# Altium PCB Farm_Pump.PcbDoc (continued)
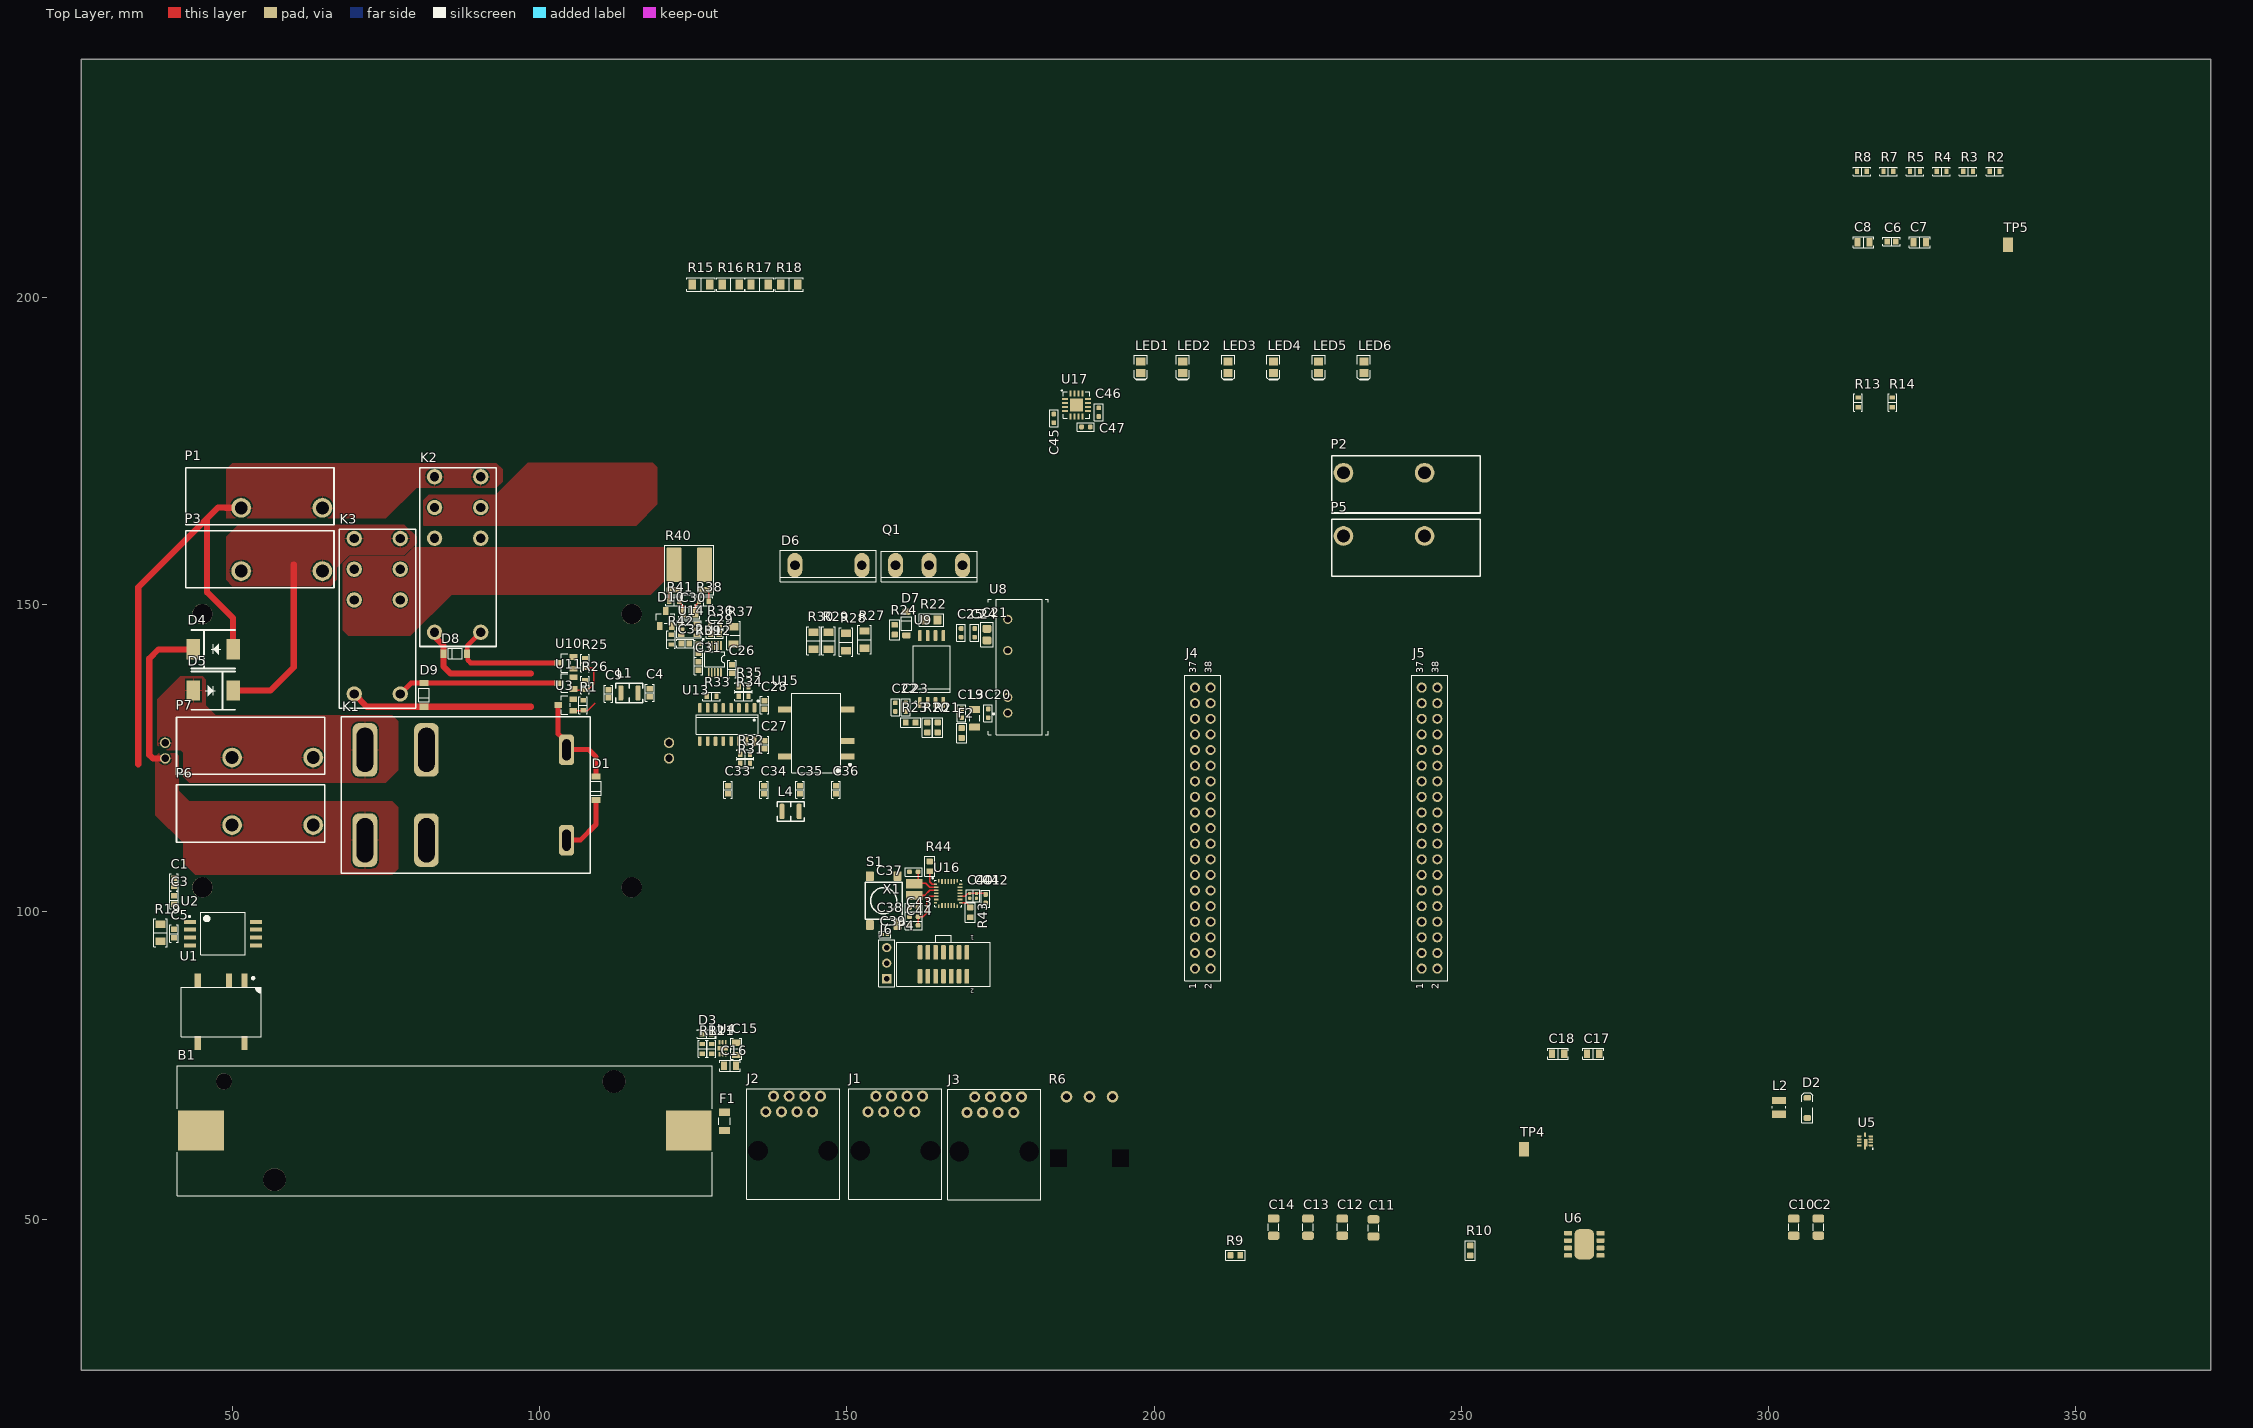
[diagram p0: Top Layer view]
## Part data (continued)
D7: library part 1027-0004, "TVS DIODE 16V 26V SOD123F", Current=A, Manufacturer="Littelfuse Inc.", Supplier Part Number 1=F8155CT-ND, Voltage=V, x_max_temp=150, x_min_temp=-55, ComponentLink1Description=Datasheet, created_on="31/03/2020 3:13:35 PM", id=378025, inventory_price=0.47, Manufacturer Part Number=SMF16A, Mount=SMT, partnumber=1027-0004, parttype="TVS - Diodes", rohs=1, Supplier 1=DigiKey, updated_on="14/09/2021 3:42:58 PM", x_Link_Description=datasheet, x_Link_URL=https://www.littelfuse.com/~/media/electronics/datasheets/tvs_diodes/littelfuse_tvs_diode_smf_datasheet.pdf.pdf, x_Vol=16V
D10: "Zener Diode", Manufacturer="Diodes Incorporated", Digikey PN=ZR285F02CT-ND, inventory_price=1.51, Manufacturer Part Number=ZR285F02TA, partnumber=ZR285F02TA, parttype="PMIC - Voltage Reference", URL Datasheet=https://www.diodes.com/assets/Datasheets/ZR285.pdf
F1: "fuse holder", Current=10A, Manufacturer="Eaton - Electronics Division", Digikey PN=TR/3216TD10-R, inventory_price=1.95, Manufacturer Part Number="Eaton - Electronics Division", partnumber=TR/3216TD10-R, parttype=Fuses, URL Datasheet=https://www.eaton.com/content/dam/eaton/products/electronic-components/resources/data-sheet/eaton-3216td-time-delay-chip-surface-mount-fuse-data-sheet.pdf
F2: library part 1034-0014, "FUSE BOARD MNT 500MA 32VDC 0603", Manufacturer="Panasonic Electronic Components", x_Capacitance="Not Applicable", x_current="500 mA", x_max_temp=125°C, x_min_temp=-40°C, ComponentLink1Description=Datasheet, created_on="18/03/2020 3:28:57 PM", id=377173, inventory_price=0.29, Manufacturer Part Number=ERB-RE0R50V, partnumber=1034-0014, parttype=Fuses, rohs=1, updated_on="3/02/2022 2:42:16 PM", x_inductance="Not Applicable", x_Link_Description=Datasheet, x_Link_URL=https://industrial.panasonic.com/cdbs/www-data/pdf/AFA0000/AFA0000C7.pdf, x_port_to_unleashed=No, x_Power="Not Applicable", x_resistance="Not Applicable", x_temp_coef="Not Applicable", x_Tolerance="Not Applicable", x_Vol="Not Applicable"
J1 J2 J3: Manufacturer="MODULAR JACK RJ45 8P8C", Digikey PN=2057-MTJ-885X1-ND, inventory_price=0.97, Manufacturer Part Number=MTJ-885X1, partnumber=MTJ-885X1, parttype="Modular Connectors - Jacks", URL Datasheet=https://app.adam-tech.com/products/download/data_sheet/203809/mtj-885x1-data-sheet.pdf
J4 J5: library part 1095-0013, "CONN RCPT 38POS 0.1 GOLD PCB", Manufacturer="Samtec Inc.", x_Capacitance="Not Applicable", x_current="5.7A per Contact", x_max_temp=125°C, x_min_temp=-55°C, created_on="29/03/2022 9:34:22 PM", id=461832, inventory_price=6.48, Manufacturer Part Number=SSW-119-01-F-D, partnumber=1095-0013, parttype="Rectangular Connectors - Headers, Receptacles, Female Sockets", rohs=1, updated_on="29/03/2022 9:39:06 PM", x_inductance="Not Applicable", x_port_to_unleashed=No, x_Power="Not Applicable", x_resistance="Not Applicable", x_temp_coef="Not Applicable", x_Tolerance="Not Applicable", x_Vol="Not Applicable"
J6: library part 1005-0012, "CONN HEADER VERT 3POS 2.54MM", Manufacturer="Sullins Connector Solutions", Manufacturer Part Number=PRPC003SAAN-RC, Supplier Part Number 1=S1011EC-03-ND, ComponentLink1Description=Datasheet, created_on="31/03/2020 1:35:33 PM", id=377978, inventory_price=0.25, Mount=TH, partnumber=1005-0012, parttype="Rectangular Connectors - Headers, Male Pins", rohs=1, Supplier 1=Digi-Key, updated_on="11/08/2020 5:15:42 PM", x_Link_Description=datasheet, x_Link_URL=https://drawings-pdf.s3.amazonaws.com/11636.pdf
K1: Manufacturer="American Zettler", Digikey PN=2487-AZSR250-2AE-12D-ND, inventory_price=20.25, Manufacturer Part Number=AZSR250-2AE-12D, partnumber=AZSR250-2AE-12D, parttype="Power Relays, Over 2 Amps", URL Datasheet=https://www.azettler.com/pdfs/azsr250.pdf
K2 K3: "Plug-in miniature power relay, with power contact for high continuous currents, 1 changeover contact, input voltage 12 V DC"
L1 L4: library part TFM322512ALMA6R8MTAA, Digi-Key Part Number=445-16384-1-ND, Manufacturer="TDK Corporation", Maximun Temperature=150, Minimum Temperature=-55, Part Number=MLZ2012N6R8LTD25, Digikey PN=445-TFM322512ALMA6R8MTAACT-ND, inventory_price=1.44, Manufacturer Part Number="TDK Corporation", partnumber=TFM322512ALMA6R8MTAA, parttype="Fixed Inductor", URL Datasheet=https://product.tdk.com/info/en/catalog/datasheets/inductor_automotive_power_tfm322512alma_en.pdf?ref_disty=digikey
L2: library part 1002-0031, "FIXED IND 10UH 750MA 650MOHM SMD", Manufacturer="Taiyo Yuden", Manufacturer Part Number=MAKK2520H100M, x_Capacitance="Not Applicable", x_current="750 mA", x_max_temp=105°C, x_min_temp=-40°C, x_Tolerance=±20%, ComponentLink1Description=Datasheet, ComponentLink1URL=https://www.bourns.com/docs/Product-Datasheets/SRR1260.pdf, created_on="3/04/2022 8:17:03 AM", id=462234, inventory_price=0.28, partnumber=1002-0031, parttype="Fixed Inductors", rohs=1, updated_on="6/04/2022 9:21:30 PM", x_inductance="10 µH", x_Link_Description=Datasheet, x_Link_URL="https://ds.yuden.co.jp/TYCOMPAS/ut/detail?pn=MAKK2520H100M &u=M", x_port_to_unleashed=No, x_Power="Not Applicable", x_resistance="Not Applicable", x_temp_coef="Not Applicable", x_Vol="Not Applicable"
L3: library part 1002-0001, "FIXED IND 6.8UH 380MA 170 MOHM", Manufacturer="Taiyo Yuden", Manufacturer Part Number=LB3218T6R8M, x_current=pcbs@relectrify.com, x_Tolerance=±20%, ComponentLink1Description=Datasheet, ComponentLink1URL=https://www.bourns.com/docs/Product-Datasheets/SRR1260.pdf, created_on="4/03/2020 11:07:19 PM", id=376135, inventory_price=0.1447, partnumber=1002-0001, parttype="Fixed Inductors", rohs=1, updated_on="10/08/2021 1:51:55 PM", x_Link_Description=Datasheet, x_Link_URL="https://ds.yuden.co.jp/TYCOMPAS/ut/detail?pn=LB3218T6R8M  &u=M"
LED1 LED2 LED3 LED4: library part 1001-0001, "LED GREEN CLEAR 0805 SMD", Current=A, Manufacturer="Würth Elektronik", Manufacturer Part Number=150080GS75000, Supplier Part Number 1=1642-1508-1-ND, Voltage=V, x_Capacitance="Not Applicable", x_max_temp=N/A, ComponentLink1Description=Datasheet, created_on="4/03/2020 7:22:47 PM", id=376117, inventory_price=0.18, Mount=SMT, partnumber=1001-0001, parttype="LED Indication - Discrete", rohs=1, Supplier 1=Digikey, updated_on="12/04/2022 11:43:19 AM", x_current="Not Applicable", x_inductance="Not Applicable", x_Link_Description=Datasheet, x_Link_URL=https://www.we-online.com/katalog/datasheet/150080GS75000.pdf, x_min_temp=N/A, x_port_to_unleashed=No, x_Power="Not Applicable", x_resistance="Not Applicable", x_temp_coef="Not Applicable", x_Tolerance="Not Applicable", x_Vol="Not Applicable"
LED5 LED6: library part 1001-0002, "LED RED CLEAR 0805 SMD", Current=A, Manufacturer="Würth Elektronik", Manufacturer Part Number=150080RS75000, Supplier Part Number 1=1642-1508-1-ND, Voltage=V, x_Capacitance="Not Applicable", x_max_temp=N/A, ComponentLink1Description=Datasheet, created_on="4/03/2020 10:57:11 PM", id=376134, inventory_price=0.18, Mount=SMT, partnumber=1001-0002, parttype="LED Indication - Discrete", rohs=1, Supplier 1=Digikey, updated_on="12/04/2022 11:43:19 AM", x_current="Not Applicable", x_inductance="Not Applicable", x_Link_Description=Datasheet, x_Link_URL=https://www.we-online.com/katalog/datasheet/150080RS75000.pdf, x_min_temp=N/A, x_port_to_unleashed=No, x_Power="Not Applicable", x_resistance="Not Applicable", x_temp_coef="Not Applicable", x_Tolerance="Not Applicable", x_Vol="Not Applicable"
P1 P2 P3 P5 P6 P7: Current=41, Manufacturer="Phoenix Contact", Voltage=1000, inventory_price=3.143, Manufacturer Part Number=1719189, partnumber=1719189, parttype="PCB Terminal Blocks", URL Datasheet=https://docs.rs-online.com/3ee6/0900766b813ab54c.pdf
P4: library part 1005-0008, "CONN HEADER SMD 14POS 1.27MM", Manufacturer="CNC Tech", Manufacturer Part Number=3220-14-0300-00, Supplier Part Number 1=1175-1632-ND, ComponentLink1Description=Datasheet, ComponentLink1URL=http://cnctech.us/idcmatching2.pdf, created_on="31/03/2020 1:35:32 PM", id=377974, inventory_price=0.18, Mount=SMT, partnumber=1005-0008, parttype="Rectangular Connectors - Headers, Male Pins", rohs=1, Supplier 1=Digi-Key, updated_on="11/08/2020 5:15:42 PM", x_Link_Description=datasheet, x_Link_URL=http://cnctech.us/pdfs/3220-XX-0300-00.pdf
Q1: library part 1101-0001, "IGBT 1200V 75A UFS", Manufacturer="ON Semiconductor", Rating=75A, Supplier Part Number 1=FGY75T120SQDNOS-ND, Voltage=1200V, x_Capacitance="Not Applicable", x_max_temp="175°C (TJ)", x_min_temp=-55°C, ComponentLink1Description=Datasheet, created_on="31/03/2020 3:13:32 PM", id=378004, inventory_price=12.55, Manufacturer Part Number=FGY75T120SQDN, Mount=TH, partnumber=1101-0001, parttype="Transistors - IGBTs - Single", rohs=1, Supplier 1=Digi-Key, updated_on="30/04/2022 1:58:28 PM", x_current="Not Applicable", x_inductance="Not Applicable", x_Link_Description=Datasheet, x_Link_URL=https://www.onsemi.com/pdf/datasheet/fgy75t120sqdn-d.pdf, x_port_to_unleashed=No, x_Power="Not Applicable", x_resistance="Not Applicable", x_temp_coef="Not Applicable", x_Tolerance="Not Applicable", x_Vol="Not Applicable"
R1 R25 R26 R31 R32 R33 R34 R35 R42: library part RC0603FR-0710KL, "RES SMD 10K OHM 1% 1/10W 0603", Digi-Key Part Number=311-10.0KHRCT-ND, Manufacturer=Yageo, Package Imperial=0603, Package Metric=1608, Power (Watts)="0.1W, 1/10W", Temperature Coefficient=±100ppm/°C, Tolerance=±1%, Part Number=RC0603FR-0710KL
R2 R4 R8: library part RC0603FR-073K9L, "RES SMD 3.9K OHM 1% 1/10W 0603", Digi-Key Part Number=311-3.90KHRCT-ND, Manufacturer=Yageo, Package Imperial=0603, Package Metric=1608, Power (Watts)="0.1W, 1/10W", Temperature Coefficient=±100ppm/°C, Tolerance=±1%, Part Number=RC0603FR-073K9L
R3 R5: library part RC0603FR-077K5L, "RES SMD 7.5K OHM 1% 1/10W 0603", Digi-Key Part Number=311-7.50KHRCT-ND, Manufacturer=Yageo, Package Imperial=0603, Package Metric=1608, Power (Watts)="0.1W, 1/10W", Temperature Coefficient=±100ppm/°C, Tolerance=±1%, Part Number=RC0603FR-077K5L
R6: "Variable Resistor Symbol", Manufacturer="Bourns Inc.", Digikey PN=PDB12-H4301-103BF-ND, inventory_price=1.49, Manufacturer Part Number=PDB12-H4301-103BF, partnumber=PDB12-H4301-103BF, parttype="Rotary Potentiometers, Rheostats", URL Datasheet=https://www.bourns.com/docs/Product-Datasheets/PDB12.pdf
R7 R12: library part RC0603FR-071KL, "RES SMD 1K OHM 1% 1/10W 0603", Digi-Key Part Number=311-1.00KHRCT-ND, Manufacturer=Yageo, Package Imperial=0603, Package Metric=1608, Power (Watts)="0.1W, 1/10W", Temperature Coefficient=±100ppm/°C, Tolerance=±1%, Part Number=RC0603FR-071KL
R9: library part 1007-0174, "RES 63.4K OHM 1% 1/10W 0603", Manufacturer="Stackpole Electronics Inc", Manufacturer Part Number=RMCF0603FT63K4, x_Capacitance="Not Applicable", x_max_temp=155°C, x_min_temp=-55°C, x_Power="0.1W, 1/10W", x_temp_coef=±100ppm/°C, x_Tolerance=±1%, created_on="6/04/2022 9:39:45 PM", id=462399, inventory_price=0.1, partnumber=1007-0174, parttype="Chip Resistor - Surface Mount", rohs=1, updated_on="6/04/2022 9:40:00 PM", x_current="Not Applicable", x_inductance="Not Applicable", x_Link_Description=Datasheet, x_Link_URL=https://www.seielect.com/catalog/sei-rmcf_rmcp.pdf, x_port_to_unleashed=No, x_resistance="63.4 kOhms", x_Vol="Not Applicable"
R10: library part 1007-0018, "RES 20K OHM 1% 1/8W 0603", Manufacturer="Stackpole Electronics Inc", Manufacturer Part Number=RNCP0603FTD20K0, x_Capacitance="Not Applicable", x_max_temp=155°C, x_min_temp=-55°C, x_Power="0.125W, 1/8W", x_resistance="20 kOhms", x_temp_coef=±100ppm/°C, x_Tolerance=±1%, created_on="17/03/2020 11:40:16 AM", id=377086, inventory_price=0.1, partnumber=1007-0018, parttype="Chip Resistor - Surface Mount", rohs=1, updated_on="8/04/2022 11:10:51 AM", x_current="Not Applicable", x_inductance="Not Applicable", x_Link_Description=Datasheet, x_Link_URL=https://www.seielect.com/catalog/sei-rncp.pdf, x_port_to_unleashed=No, x_Vol="Not Applicable"
R11: library part RC0603FR-072K05L, "RES SMD 2.05K OHM 1% 1/10W 0603", Digi-Key Part Number=311-2.05KHRCT-ND, Manufacturer=Yageo, Package Imperial=0603, Package Metric=1608, Power (Watts)="0.1W, 1/10W", Temperature Coefficient=±100ppm/°C, Tolerance=±1%, Part Number=RC0603FR-072K05L
R13 R14: library part RG1608P-103-B-T5, "RES SMD 10K OHM 0.1% 1/10W 0603", Digi-Key Part Number=RG16P10.0KBCT-ND, Manufacturer=Susumu, Package Imperial=0603, Package Metric=1608, Tolerance=0.1%, Part Number=RG1608P-103-B-T5
R15 R16 R17 R18 R27 R28 R29 R30: library part RC1206FR-07200KL, "RES SMD 200K OHM 1% 1/4W 1206", Digi-Key Part Number=311-200KFRCT-ND, Manufacturer=Yageo, Package Imperial=1206, Package Metric=3216, Power (Watts)="0.25W, 1/4W", Temperature Coefficient=±100ppm/°C, Tolerance=±1%, Part Number=RC1206FR-07200KL
R19 R37: library part RC1206FR-072K74L, "RES SMD 2.74K OHM 1% 1/4W 1206", Digi-Key Part Number=311-2.74KFRCT-ND, Manufacturer=Yageo, Package Imperial=1206, Package Metric=3216, Power (Watts)="0.25W, 1/4W", Temperature Coefficient=±100ppm/°C, Tolerance=±1%, Part Number=RC1206FR-072K74L
R20 R21: library part 1007-0089, "RES SMD 100 OHM 1% 1/10W 0603", Manufacturer=Yageo, Manufacturer Part Number=AC0603FR-07100RL, x_max_temp=155°C, x_min_temp=-55°C, x_Power=1/10W, x_Tolerance=±1%, created_on="8/04/2021 12:45:47 PM", id=427031, inventory_price=0.00647, partnumber=1007-0089, parttype="Chip Resistor - Surface Mount", rohs=1, updated_on="10/08/2021 12:27:41 PM", x_Link_Description=Datasheet, x_Link_URL=https://www.yageo.com/upload/media/product/productsearch/datasheet/rchip/PYu-AC_51_RoHS_L_7.pdf
R22: library part 1007-0021, "RES 4.7 OHM 1% 1/4W 0805", Manufacturer="Stackpole Electronics Inc", Manufacturer Part Number=RNCP0805FTD4R70, x_max_temp=155°C, x_min_temp=-55°C, x_Power=1/4W, x_Tolerance=±1%, created_on="31/03/2020 3:13:33 PM", id=378011, inventory_price=0.01562, partnumber=1007-0021, parttype="Chip Resistor - Surface Mount", rohs=1, updated_on="23/08/2021 6:14:35 PM", x_Link_Description=Datasheet, x_Link_URL=https://www.seielect.com/catalog/sei-rncp.pdf
R23: library part 1007-0143, "RES 1K OHM 0.1% 1/16W 0603", Manufacturer="Stackpole Electronics Inc", Manufacturer Part Number=RNCS0603BKE1K00, x_max_temp=155°C, x_min_temp=-55°C, x_Power=1/16W, x_Tolerance=±0.1%, created_on="10/08/2021 1:47:46 PM", id=436190, inventory_price=0.2051, partnumber=1007-0143, parttype="Chip Resistor - Surface Mount", rohs=1, updated_on="10/08/2021 1:48:00 PM", x_Link_Description=Datasheet, x_Link_URL=https://www.seielect.com/catalog/sei-rncs_rnch.pdf
R24: library part 1007-0027, "RES SMD 3.3K OHM 1% 1/10W 0603", Manufacturer=Yageo, Manufacturer Part Number=RC0603FR-073K3L, x_max_temp=155°C, x_min_temp=-55°C, x_Power=1/10W, x_Tolerance=±1%, created_on="31/03/2020 3:13:34 PM", id=378017, inventory_price=0.00535, partnumber=1007-0027, parttype="Chip Resistor - Surface Mount", rohs=1, updated_on="23/08/2021 6:14:35 PM", x_Link_Description=Datasheet, x_Link_URL=https://www.yageo.com/upload/media/product/productsearch/datasheet/rchip/PYu-RC_Group_51_RoHS_L_11.pdf
R36 R39: library part RC0603FR-0720RL, "RES SMD 20 OHM 1% 1/10W 0603", Digi-Key Part Number=311-20.0HRCT-ND, Manufacturer=Yageo, Package Imperial=0603, Package Metric=1608, Power (Watts)="0.1W, 1/10W", Temperature Coefficient=±100ppm/°C, Tolerance=±1%, Part Number=RC0603FR-0720RL
R38 R41: library part RC0603FR-075R1L, "RES SMD 5.1 OHM 1% 1/10W 0603", Digi-Key Part Number=YAG3372CT-ND, Manufacturer=Yageo, Package Imperial=0603, Package Metric=1608, Power (Watts)="0.1W, 1/10W", Temperature Coefficient=±200ppm/°C, Tolerance=±1%, Part Number=RC0603FR-075R1L
R40: "Resistor Symbol", Manufacturer="Vishay Dale", Digikey PN=WSLQ-.0005CT-ND, inventory_price=3.82, Manufacturer Part Number=WSL2726L5000FEB, partnumber=WSL2726L5000FEB, parttype="Chip Resistor - Surface Mount", URL Datasheet=https://www.vishay.com/docs/30131/wsl2726.pdf
R43 R44: library part 1007-0057, "RES SMD 10K OHM 1% 1/10W 0603", Manufacturer=Yageo, Manufacturer Part Number=RT0603FRE0710KL, x_Capacitance="Not Applicable", x_max_temp=155°C, x_min_temp=-55°C, x_Power="0.1W, 1/10W", x_resistance="10 kOhms", x_temp_coef=±50ppm/°C, x_Tolerance=±1%, created_on="7/01/2021 3:05:37 PM", id=414003, inventory_price=0.1, partnumber=1007-0057, parttype="Chip Resistor - Surface Mount", rohs=1, updated_on="3/02/2022 2:42:16 PM", x_current="Not Applicable", x_inductance="Not Applicable", x_Link_Description=Datasheet, x_Link_URL=https://www.yageo.com/upload/media/product/productsearch/datasheet/rchip/PYu-RT_1-to-0.01_RoHS_L_12.pdf, x_port_to_unleashed=No, x_Vol="Not Applicable"
S1: library part 1082-0001, "SWITCH TACTILE SPST-NO 0.05A 12V", Manufacturer=C&K, Manufacturer Part Number="PTS645SM43SMTR92 LFS", Supplier Part Number 1=CKN9112CT-ND, ComponentLink1Description=Datasheet, ComponentLink1URL=https://www.ckswitches.com/media/1471/pts645.pdf, created_on="17/03/2020 11:40:16 AM", id=377087, inventory_price=0.42, Mount=SMT, partnumber=1082-0001, parttype="Tactile Switches", rohs=1, updated_on="27/04/2022 9:27:23 AM", x_Link_Description=Datasheet, x_Link_URL=https://www.ckswitches.com/media/1471/pts645.pdf, x_port_to_unleashed=No
TP4 TP5: library part RCT-0C, "0805 PROBE PAD", Digi-Key Part Number=A106144CT-ND, Part Number=RCT-0C
U1 U15: "Isolated Module DC DC Converter 1 Output 5V 200mA 4.5V - 5.5V Input", Digi-Key Part Number=1470-2945-1-ND, Manufacturer="XP Power", Part Number=ISE0505A
U2: "Isolation Amplifier 1 Circuit Differential 8-SO", Digi-Key Part Number=516-2579-5-ND, Manufacturer=Broadcom, Manufacturer Part Number=ACPL-C87B, Part Number=ACPL-C87B
U3 U10 U11: library part SZNUD3112LT1GOSCT-ND, Manufacturer="ON Semiconductor", inventory_price=0.93, Manufacturer Part Number=SZNUD3112LT1GOSCT-ND, partnumber=SZNUD3112LT1GOSCT-ND, parttype="PMIC - Power Distribution Switches, Load Drivers", URL Datasheet=https://www.onsemi.com/pdf/datasheet/nud3112-d.pdf
U4: "IC BATT CHG LI-ION 1CELL 6MLP"
U5: library part 1028-0017, "IC REG BOOST ADJ 1A 10VQFN", Manufacturer="Microchip Technology", x_Capacitance="Not Applicable", x_max_temp="125°C (TA)", x_min_temp=-40°C, created_on="23/03/2022 9:51:43 PM", id=461088, inventory_price=1.87, Manufacturer Part Number=MCP1665T-E/MRA, partnumber=1028-0017, parttype="PMIC - Voltage Regulators - DC DC Switching Regulators", rohs=1, updated_on="28/03/2022 9:26:58 PM", x_current="Not Applicable", x_inductance="Not Applicable", x_Link_Description=Datasheet, x_Link_URL=https://ww1.microchip.com/downloads/en/DeviceDoc/20005872A.pdf, x_port_to_unleashed=No, x_Power="Not Applicable", x_resistance="Not Applicable", x_temp_coef="Not Applicable", x_Tolerance="Not Applicable", x_Vol="Not Applicable"
U6: Current=1A, Manufacturer="Rohm Semiconductor", Maximun Temperature=-25, Minimum Temperature=85, Power=3.3W, Voltage=3.3V, Digikey PN=BD33HC0WEFJ-E2CT-ND, inventory_price=0.93, Manufacturer Part Number=BD33HC0WEFJ-E2, partnumber=BD33HC0WEFJ-E2, parttype="PMIC - Voltage Regulators - Linear", URL Datasheet=https://fscdn.rohm.com/en/products/databook/datasheet/ic/power/linear_regulator/bdxxhc0wefj-e.pdf
U7: library part 1092-0010, "AC/DC CONVERTER 12V 25W", Manufacturer="MEAN WELL USA Inc.", x_Capacitance="Not Applicable", x_max_temp="70°C (With Derating)", x_min_temp=-30°C, x_Power=25W, created_on="22/04/2022 3:43:51 PM", id=467390, inventory_price=15.52, Manufacturer Part Number=EPS-25-12, partnumber=1092-0010, parttype="AC DC Converters", rohs=1, updated_on="22/04/2022 4:03:59 PM", x_current="Not Applicable", x_inductance="Not Applicable", x_Link_Description=Datasheet, x_Link_URL=https://www.meanwellusa.com/upload/pdf/EPS-25/EPS-25-spec.pdf, x_port_to_unleashed=No, x_resistance="Not Applicable", x_temp_coef="Not Applicable", x_Tolerance="Not Applicable", x_Vol="Not Applicable"
U8: library part PDM-S, "DC DC CONVERTER 15V 1W", Manufacturer="Traco Power", ComponentLink1Description=Datasheet, ComponentLink1URL=https://www.tracopower.com/products/tmv-en.pdf, Manufacturer Part Number="TMV 1215EN", Mount=TH, Supplier 1=Digi-Key
U9: library part STGAP2SCM, "DGTL ISO 3KV 1CH GATE DRVR 8SOIC", Manufacturer="Texas Instruments", ComponentLink1Description=Datasheet, ComponentLink1URL=https://www.st.com/resource/en/datasheet/stgap2s.pdf, Manufacturer Part Number=UCC5310MCDWVR, Mount=SMT
U12: "IC ADC 12BIT SIGMA-DELTA 10VSSOP", Manufacturer="Texas Instruments", Supplier Part Number 1=296-41185-1-ND, ComponentLink1Description=Datasheet, Digikey PN=296-41185-1-ND, inventory_price=4.47, Manufacturer Part Number=ADS1015IDGSR, Mount=SMT, partnumber=ADS1015IDGSR, parttype="Data Acquisition - Analog to Digital Converters (ADC)", Supplier 1=Digi-Key, URL Datasheet=https://www.ti.com/general/docs/suppproductinfo.tsp?distId=10&gotoUrl=https%3A%2F%2Fwww.ti.com%2Flit%2Fgpn%2Fads1013
U13: "DGT ISOL 3750VRMS 4CH I2C 16SOIC", Manufacturer="Skyworks Solutions Inc.", Supplier Part Number 1="Silicon Labs", ComponentLink1Description=Datasheet, Digikey PN=336-4927-1-ND, inventory_price=11.35, Manufacturer Part Number=SI8605AC-B-IS1R, Mount=SMT, partnumber=SI8605AC-B-IS1R, parttype="Digital Isolators", Supplier 1=Digi-Key, URL Datasheet=https://www.skyworksinc.com/-/media/Skyworks/SL/documents/public/data-sheets/Si860x.pdf
U14: Manufacturer="Texas Instraments", Digikey PN=296-INA181A3QDBVRQ1CT-ND, inventory_price=0.94, Manufacturer Part Number=INA181A3QDBVRQ1, partnumber=INA181A3QDBVRQ1, parttype="Linear - Amplifiers - Instrumentation, OP Amps, Buffer Amps", URL Datasheet=https://www.ti.com/general/docs/suppproductinfo.tsp?distId=10&gotoUrl=https%3A%2F%2Fwww.ti.com%2Flit%2Fgpn%2Fina181-q1
U16: library part 1031-0008, "IC MCU 32BIT 32KB FLASH 28UFQFPN", Manufacturer=STMicroelectronics, x_Capacitance="Not Applicable", x_max_temp="85°C (TA)", x_min_temp=-40°C, Copyright="Copyright (C) 2022 Ultra Librarian. All rights reserved.", created_on="23/04/2022 8:42:40 PM", Digi-Key_Part_Number_1=STM32F038G6U6-ND, id=467446, inventory_price=3.5, Manufacturer Part Number=STM32F038G6U6, Manufacturer_Part_Number=STM32F038G6U6, Mfr_Name=STMicroelectronics, partnumber=1031-0008, parttype="Embedded - Microcontrollers", RefDes=RefDes, rohs=1, Type=DEV, updated_on="23/04/2022 8:42:50 PM", x_current="Not Applicable", x_inductance="Not Applicable", x_Link_Description=Datasheet, x_Link_URL=https://www.st.com/content/ccc/resource/technical/document/datasheet/5f/5d/72/7b/c3/2d/46/54/DM00110868.pdf/files/DM00110868.pdf/jcr:content/translations/en.DM00110868.pdf, x_port_to_unleashed=Yes, x_Power="Not Applicable", x_resistance="Not Applicable", x_temp_coef="Not Applicable", x_Tolerance="Not Applicable", x_Vol="Not Applicable"
U17: library part CAT3626HV4-GT2, Manufacturer=Onsemi, Mfr_Name=onsemi, Copyright="Copyright (C) 2022 Ultra Librarian. All rights reserved.", Digi-Key_Part_Number_1=2156-CAT3626HV4-GT2-ND, Digi-Key_Part_Number_2=2156-CAT3626HV4-GT2-OS-ND, Digi-Key_Part_Number_3=CAT3626HV4-GT2OSCT-ND, Digi-Key_Part_Number_4=CAT3626HV4-GT2OSDKR-ND, Digi-Key_Part_Number_5=CAT3626HV4-GT2OSTR-ND, Digikey PN=CAT3626HV4-GT2OSCT-ND, inventory_price=2.5, Manufacturer Part Number=CAT3626HV4-GT2, Manufacturer_Part_Number=CAT3626HV4-GT2, partnumber=CAT3626HV4-GT2, parttype="PMIC - LED Drivers", RefDes=RefDes, Type=DEV, URL Datasheet=https://www.onsemi.com/pdf/datasheet/cat3626-d.pdf
X1: library part 1097-0002, "CRYSTAL 8.0000MHZ 8PF SMD", Manufacturer="NDK America, Inc.", Manufacturer Part Number=NX3225GD-8MHZ-STD-CRA-3, Supplier Part Number 1=644-1178-1-ND, Tolerance=8pF, x_Tolerance=50ppm, ComponentLink1Description=Datasheet, ComponentLink1URL=http://www.ndk.com/images/products/catalog/c_NX3225GD-STD-CRA-3_e.pdf, created_on="31/03/2020 1:35:33 PM", id=377983, inventory_price=0.8868, Mount=SMT, partnumber=1097-0002, parttype=Crystals, rohs=1, Supplier 1=Digi-Key, updated_on="13/08/2021 2:17:15 PM", x_Link_Description=Datasheet, x_Link_URL=https://www.ndk.com/en/

## Nets (pads, with @x,y where several pads share a name; then routed paths per layer and width w, separated by ;. In a path a pad name is that pad's centre, name@x,y a point inside that pad or via, vN(x,y) a via of type N, cw(c..) or ccw(c..) an arc to the next point about the centre after c; other vN are vias at no path point)
+5V: C9.2 C11.1 C12.1 C13.1 C14.1 C35.1 C36.2 C45.2 D2.1 J1.1 J2.1 J4.6 L1.1 L4.1 R9.2 R13.2 R14.2 U17.4 U17.6
+5V_ISO_VSENSE: C1.2 C3.2 C8.2 U1.5 U2.1
+5VISO: C26.2 C28.2 C32.2 C33.2 C34.2 R33.2 R34.2 R35.2 R42.2 U12.8 U13.1 U14.6 U15.5
+12VDC: C15.2 D1.K D8.K D9.K F2.1 K1.2 K2.A1 K3.A1 U4.1 U7.4 | length 60.3
  Top Layer w0.8: K1.2 106.65,111.65 109.2,114.2 D1.K
  Top Layer w1: K3.A1 71.917,133.375 D9.K 98.6,133.375 ; K2.A1 83.218,145.195 83.218,144.482 84.377,143.323 84.377,142.495 84.375,142.493 84.375,139.925 85.5,138.8 98.6,138.8
+15V_ISO: C21.1 C24.2 C25.1 U8.7 U9.5
AC_Enabled: J3.1 R14.1 U16.25
AC_Enabled_LED: LED3.2 U17.14
AC_LIVE_IN: D4.K K1.6 P6.1 U7.2 | length 26.3
  Top Layer w1: U7.2 37.086,124.955 36.5,125.541 36.5,141.2 38,142.7 D4.K
AC_NEUTRAL_IN: D5.A K1.5 P7.1 U7.1
ADC0_IN: C6.2 U2.7 U16.6
ADC1_IN: C6.1 U2.6 U16.7
AGND: J1.3 J2.3
Alert: U13.13 U16.23
ALT: R35.1 U12.2 U13.4
DC_Low: LED6.2 U17.12
DC_NEG_OUT: C1.1 C3.1 C5.1 C8.1 D5.K K3.14 P3.1 R19.1 TP4.1 U1.4 U2.3 U2.4 | length 28.1
  Top Layer w1: D5.K 56.2,136 60,139.8 60,156.486
DC_POS_IN: D4.A K2.14 P1.1 R15.1 | length 74
  Top Layer w1: 34.7,124 34.7,152.8 45.9,164 ; D4.A 50.125,147.775 45.9,152 45.9,164 ; P1.1@51.458,165.74 48.923,165.74 48.869,165.795 47.695,165.795 45.9,164
Fault_LED: LED5.2 U17.13
GND: B1.2 C2.2 C4.2 C7.1 C9.1 C10.2 C11.2 C12.2 C13.2 C14.2 C15.1 C16.1 C17.1 C18.1 C19.2 C20.2 C22.2 C23.1 C27.1 C35.2 C36.1 C37.2 C38.2 C39.1 C40.2 C41.2 C42.2 C43.2 C44.2 C45.1 J3.2 J3.4 J4.8 J4.19 J4.20 J4.22 J5.9 J5.20 J6.3 P4.5 P4.7 P4.11 R1.1 R3.1 R5.1 R6.3 R8.1 R10.1 R11.2 R23.1 R25.1 R26.1 R44.1 S1.1 S1.2 U1.1 U2.5 U3.2 U4.3 U4.6 U5.1 U5.2 U5.3 U5.10 U6.3 U7.3 U8.2 U9.4 U10.2 U11.2 U13.9 U15.1 U16.16 U17.11 U17.17
I2C_SCL: J5.3 R31.1 U13.11 U16.19 U17.3
I2C_SDA: J5.5 R32.1 U13.14 U16.20 U17.2
ISOGND: C26.1 C28.1 C29.1 C31.2 C32.1 C33.1 C34.1 D10.A K1.3 K3.11 R37.1 R40.1 U12.1 U12.3 U12.6 U12.7 U13.8 U14.2 U15.4
NetB1_1: B1.1 F1.1
NetC4_1: C4.1 L1.2 U1.2
NetC5_2: C5.2 R18.2 R19.2 TP5.1 U2.2
NetC19_1: C19.1 F2.2 L3.1
NetC20_1: C20.1 L3.2 U8.1
NetC29_2: C29.2 R36.2 U12.4
NetC30_1: C30.1 R41.1 U14.4 | length 2.2
  Top Layer w0.254: R41.1 122.733,150.426 123.346,149.813 C30.1
NetC30_2: C30.2 R38.1 U14.3 | length 2.2
  Top Layer w0.254: C30.2 125.346,149.813 125.959,150.426 R38.1
NetC31_1: C31.1 R39.2 U12.5
NetC37_1: C37.1 U16.2 X1.2 | length 5.1
  Top Layer w0.254: C37.1 161.6,104.65 162.85,104.65 163.5,104 U16.2
NetC38_1: C38.1 U16.3 X1.1 | length 6.1
  Top Layer w0.254: C38.1 161.6,102.05 X1.1 162.65,102.65 163.5,103.5 U16.3
NetC46_1: C46.1 U17.9
NetC46_2: C46.2 U17.10
NetC47_1: C47.1 U17.7
NetC47_2: C47.2 U17.8
NetD1_A: D1.A K1.1 U3.3 | length 16.4
  Top Layer w0.8: U3.3 103.036,128.964 104.4,127.6 K1.1 104.45,126.4 108,126.4 109.2,125.2 D1.A
NetD2_2: D2.2 L2.2 U5.8 U5.9
NetD3_1: D3.1 R12.1
NetD3_2: D3.2 U4.2
NetD7_K: D7.K Q1.G R22.2 R24.2 U9.7
NetD8_A: D8.A K2.A2 U10.3 | length 20.4
  Top Layer w0.8: K2.A2 88.236,143.287 88.236,142.011 D8.A 88.325,141.9 88.325,140.969 88.794,140.5 U10.3
NetD9_A: D9.A K3.A2 U11.3 | length 26.2
  Top Layer w0.8: K3.A2 79.119,137.225 U11.3@102.843,137.225
NetJ1_2: J1.2 R2.2
NetJ2_2: J2.2 R4.2
NetL4_2: L4.2 U15.2
NetLabel16: LED4.2 U17.15
NetLabel22: R2.1 R3.2 U16.10
NetLabel23: R4.1 R5.2 U16.11
NetLabel24: R6.2 U16.12
NetLabel25: R7.1 R8.2 U16.13
NetLabel26: R20.1 U16.18
NetLED1_1: LED1.1 LED2.1 LED3.1 LED4.1 LED5.1 LED6.1 U17.5
NetR1_2: R1.2 U3.1 U16.24 | length 4
  Top Layer w0.254: U3.1 107.8,132.7 109,133.9
NetR9_1: R9.1 R10.2 U5.4
NetR11_1: R11.1 U4.4
NetR15_2: R15.2 R16.1
NetR16_2: R16.2 R17.1
NetR17_2: R17.2 R18.1
NetR20_2: R20.2 R23.2 U9.2
NetR21_1: R21.1 U16.27
NetR21_2: R21.2 U9.3
NetR22_1: R22.1 U9.6
NetR25_2: R25.2 R26.2 U10.1 U11.1 U16.14 | length 7.6
  Top Layer w0.254: U11.1@105.532,136.048 107.4,136.048 107.618,136.265 108.065,136.265 108.8,137 108.8,139.5 108.6,139.7 R25.2
NetR27_1: R27.1 R28.2
NetR28_1: R28.1 R29.2
NetR29_1: R29.1 R30.2
NetR30_1: R30.1 R36.1 R37.2
NetR38_2: R38.2 R40.4 | length 2.4
  Top Layer w0.254: R40.4 127.241,152.37 127.559,152.052 R38.2
NetR39_1: R39.1 U14.1
NetR40_3: R40.3 R41.2 | length 2.4
  Top Layer w0.254: R41.2 121.133,152.052 121.451,152.37 R40.3
NetR43_1: R43.1 U16.15 | length 2
  Top Layer w0.254: U16.15 169.4,101.5 169.727,101.173 169.727,101.048 170.075,100.7 R43.1@170.2,100.7
NetR44_2: R44.2 U16.1 | length 2.8
  Top Layer w0.254: R44.2 163.5,104.9 163.9,104.5 U16.1
NetU5_7: U5.7 U16.28
NRST: C39.2 J4.14 P4.12 S1.3 S1.4 U16.4
ON_OFF: J3.3 R13.1 U16.26
Press_Good: LED2.2 U17.1
Pump_In: K1.4 K2.11 P2.1 R27.2
Pump_Out: D6.K P5.1 Q1.C
PUMP_RUN: LED1.2 U17.16
Return: C21.2 C24.1 C25.2 D6.A D7.A Q1.E R24.1 R40.2 U8.5 U9.8
SCL: R33.1 U12.10 U13.6
SDA: R34.1 U12.9 U13.3
SWCLK: P4.6 U16.22
SWDIO: P4.4 U16.21
UART_RX: J6.2 P4.13 U16.9
UART_TX: J6.1 P4.14 U16.8
VBAT: C2.1 C10.1 C16.2 C17.2 F1.2 L2.1 R7.2 R12.2 U4.5 U5.5 U5.6 U6.5 U6.8
VDD: C7.2 C18.2 C22.1 C23.2 C27.2 C40.1 C41.1 C42.1 C43.1 C44.1 P4.3 R6.1 R31.2 R32.2 R43.2 U2.8 U6.1 U6.2 U9.1 U13.16 U16.5 U16.17 | length 11.6
  Top Layer w0.254: C44.1 C43.1 162.4,99.2 163,99.8 163,102.1 163.4,102.5 U16.5 ; U16.17 169.2,102.5 169.613,102.913 169.913,102.913 C40.1 ; C40.1@170.002,103 C41.1 ; R43.2@170.087,99.112 170.075,99.1 R43.2 ; C41.1 172.425,103 C42.1
Vref: D10.K R42.1 U14.5
pads on no net: B1.3 B1.4 B1.5 D10.NC J1.4 J1.5 J1.6 J1.7 J1.8 J1.NC J2.4 J2.5 J2.6 J2.7 J2.8 J2.NC J3.5 J3.6 J3.7 J3.8 J3.NC J4.1 J4.2 J4.3 J4.4 J4.5 J4.7 J4.9 J4.10 J4.11 J4.12 J4.13 J4.15 J4.16 J4.17 J4.18 J4.21 J4.23 J4.24 J4.25 J4.26 J4.27 J4.28 J4.29 J4.30 J4.31 J4.32 J4.33 J4.34 J4.35 J4.36 J4.37 J4.38 J5.1 J5.2 J5.4 J5.6 J5.7 J5.8 J5.10 J5.11 J5.12 J5.13 J5.14 J5.15 J5.16 J5.17 J5.18 J5.19 J5.21 J5.22 J5.23 J5.24 J5.25 J5.26 J5.27 J5.28 J5.29 J5.30 J5.31 J5.32 J5.33 J5.34 J5.35 J5.36 J5.37 J5.38 K2.12 K3.12 P4.1 P4.2 P4.8 P4.9 P4.10 R6.NC U1.8 U4.NC U6.4 U6.6 U6.7 U7.NC U13.2 U13.5 U13.7 U13.10 U13.12 U13.15 U15.8

## Polygon pours and split planes (outlines as drawn)
Pump_In on Bottom Layer "PUMP_IN_L04_P009" (solid, pour order 9): 78,115 80,117 84,117 87,120 87,138 81,144 81,167 82,168 92,168 93,167 93,110 86,103 79,103 78,104
ISOGND on Bottom Layer "ISOGND_L04_P008" (solid, pour order 8): 79,121 84,121 85,122 85,136 84,137 79,142 79,158 69,158 68,157 68,134 69,133 77,133 78,132 78,122
no net on Top Layer "NONET_L01_P011" (solid, pour order 11): 119.2,166.3 115.709,162.809 81.194,162.809 81.1,162.8 81.1,167 82,167.9 92.9,167.9 98.1,173.1 118.4,173.1 119.2,172.3
no net on Top Layer "NONET_L01_P010" (solid, pour order 10): 69.135,157.835 78.068,157.835 79.533,159.3 120.2,159.3 120.2,153.7 118.1,151.6 85.7,151.6 79,144.9 68.9,144.9 68,145.8 68,156.7
AC_LIVE_IN on Top Layer "AC_LIVE_IN_L01_P007" (solid, pour order 7): 43,118 41.3,119.7 41.3,125.4 40.9,125.8 38.1,125.8 37.5,125.2 37.5,115.7 42,111.2 42,108 44,106 76,106 77,107 77,117 76,118
AC_NEUTRAL_IN on Top Layer "AC_NEUTRAL_IN_L01_P006" (solid, pour order 6): 42,125.9 41.6,126.3 38.6,126.3 37.8,127.1 37.8,134.6 41.5,138.3 45.2,138.3 45.7,137.8 45.7,133.6 47.3,132 76,132 77,131 77,123 75,121 43,121 42,122
DC_NEG_OUT on Top Layer "DC_NEG_OUT_L01_P001" (solid, pour order 1): 49,161 51,163 78,163 80,161 80,160 78,158 69,158 67,156 67,154 66,153 50,153 49,154
DC_POS_IN on Top Layer "DC_POS_IN_L01_P000" (solid, pour order 0): 94,172 93,173 50,173 49,172 49,164 75,164 80,169 93,169 94,170
no net on Mid Layer 2 (split plane): 371.473,25.91 25.91,25.91 25.91,238.25 371.473,238.25
no net on Mid Layer 1 (split plane): 371.473,25.91 25.91,25.91 25.91,238.25 371.473,238.25

## Text inside footprints (layer, text, board x,y; h text height)
J4: Top Overlay "1" at 207.295,87.416 h1.97 r90; Top Overlay "2" at 209.835,87.416 h1.97 r90; Top Overlay "37" at 207.295,138.795 h1.97 r90; Top Overlay "38" at 209.835,138.795 h1.97 r90
J5: Top Overlay "1" at 244.195,87.416 h1.97 r90; Top Overlay "2" at 246.735,87.416 h1.97 r90; Top Overlay "37" at 244.195,138.795 h1.97 r90; Top Overlay "38" at 246.735,138.795 h1.97 r90
P4: Top Overlay "2" at 170.73,87.45 h0.7 r180; Top Overlay "1" at 170.73,96.15 h0.7 r180